# Altium PCB BALANCER_PCB.PcbDoc (continued)
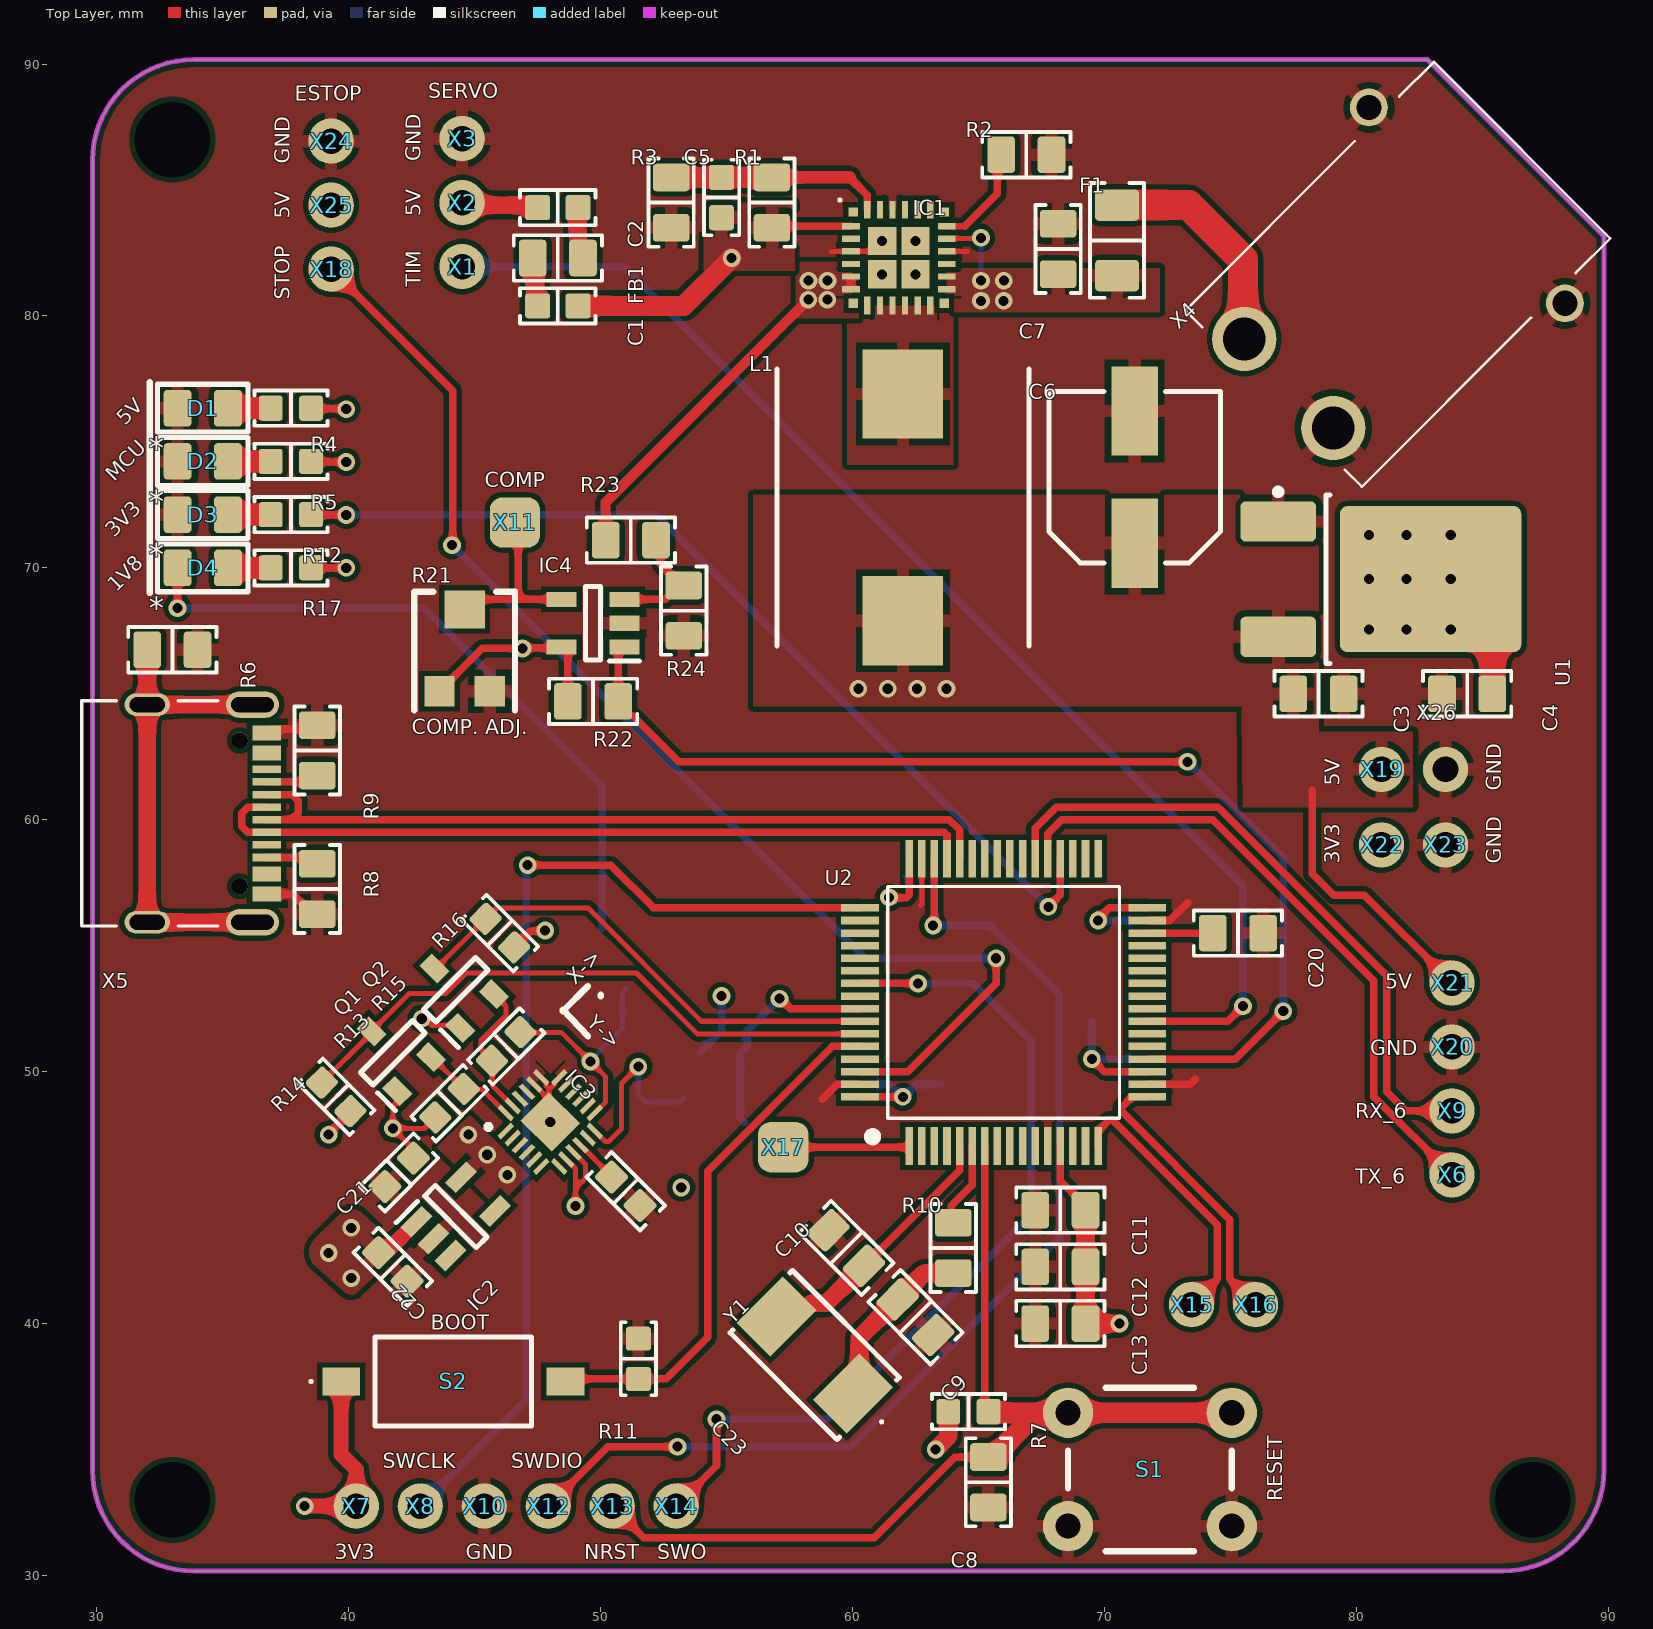
[diagram p0: Top Layer view]
## Components (designator, comment, footprint, x,y, rotation, side; value= is the part's Value field where it differs from the comment)
C1 "Capacitor" 0603_CAP 48.3,80.4 r180 top value=1u
C2 "Capacitor" 0603_CAP 48.3,84.3 r180 top value=1u
C3 "Capacitor" 0805_CAP 78.5,65 r0 top value=10u
C4 "Capacitor" 0805_CAP 84.4,65 r180 top value=10u
C5 "Capacitor" 0603_CAP 54.8,84.7 r90 top value=4.7p
C6 "865080343009" 6.60x6.60x8.00mm_E_CAP 71.2,73.6 r90 top value=100u
C7 "Capacitor" 0805_CAP 68.163,82.657 r90 top value=4.7u
C8 "Capacitor" 0805_CAP 65.394,33.7 r90 top value=0.1u
C9 "Capacitor" 0805_CAP 62.5,40.25 r135 top value=32p
C10 "Capacitor" 0805_CAP 59.75,43 r315 top value=32p
C11 "Capacitor" 0805_CAP 68.25,44.5 r180 top value=10n
C12 "Capacitor" 0805_CAP 68.25,42.25 r180 top value=0.1u
C13 "Capacitor" 0805_CAP 68.25,40 r180 top value=1u
C14 "Capacitor" 0805_CAP 71.75,51.5 r90 bottom value=0.1u
C15 "Capacitor" 0805_CAP 60.25,48.5 r270 bottom value=0.1u
C16 "Capacitor" 0805_CAP 61.25,58.5 r180 bottom value=0.1u
C17 "Capacitor" 0805_CAP 71.75,55 r270 bottom value=0.1u
C18 "Capacitor" 0805_CAP 64.5,49.5 r0 bottom value=1u
C19 "Capacitor" 0805_CAP 69.5,53 r90 bottom value=1u
C20 "Capacitor" 0805_CAP 75.3,55.5 r0 top value=4.7u
C21 "Capacitor" 0603_CAP 42,46 r45 top value=10u
C22 "Capacitor" 0603_CAP 41.75,42.25 r135 top value=10u
C23 "Capacitor" 0603_CAP 51,45.25 r135 top value=0.1u
D1 "0805_LED" 0805_LED 34.205,76.338 r180 top
D2 "0805_LED" 0805_LED 34.205,74.225 r180 top
D3 "0805_LED" 0805_LED 34.205,72.112 r180 top
D4 "0805_LED" 0805_LED 34.205,70 r180 top
F1 "Generic 1206 Fuse Chip" 1206_RES 70.5,83 r270 top
FB1 "*" 0805_Ferrite 48.3,82.3 r180 top
IC1 "LT8640SIV#PBF" LT8640SIVPBF 61.837,82.313 r0 top
IC2 "MIC5225-1.8YM5-TR" SOT95P280X130-5N 44.25,44.25 r45 top
IC3 "ICM-20948" QFN40P300X300X105-25N-D 48,48 r45 top
IC4 "TLV7031DBVR" SOT95P280X145-5N 49.7,67.8 r180 top
L1 "SRP1038CC-3R3M" INDPM110100X400N 62,72.4 r270 top
Q1 "BSS138" SOT95P240X120-3N 41.75,50.75 r135 top
Q2 "BSS138" SOT95P240X120-3N 44.25,53.25 r135 top
Q3 "BSS138" SOT95P240X120-3N 54.5,48 r0 bottom
Q4 "BSS138" SOT95P240X120-3N 50.064,54.496 r90 bottom
R1 "Resistor" 0805_RES 56.8,84.5 r270 top value=1M
R2 "Resistor" 0805_RES 66.9,86.4 r180 top value=41.2k
R3 "Resistor" 0805_RES 52.8,84.5 r90 top value=234k
R4 "Resistor" 0603_RES 37.705,76.338 r0 top value=330
R5 "Resistor" 0603_RES 37.705,74.225 r0 top value=130
R6 "Resistor" 0805_RES 33,66.75 r180 top value=1M
R7 "Resistor" 0603_RES 64.6,36.5 r180 top value=10k
R8 "Resistor" 0805_RES 38.75,57.25 r90 top value=5.1k
R9 "Resistor" 0805_RES 38.75,62.75 r270 top value=5.1k
R10 "Resistor" 0805_RES 64,43 r90 top value=620
R11 "Resistor" 0603_RES 51.5,38.6 r270 top value=10k
R12 "Resistor" 0603_RES 37.705,72.112 r0 top value=130
R13 "Resistor" 0603_RES 44,48.75 r225 top value=10k
R14 "Resistor" 0603_RES 39.5,49 r315 top value=10k
R15 "Resistor" 0603_RES 46.25,51 r45 top value=10k
R16 "Resistor" 0603_RES 46,55.5 r315 top value=10k
R17 "Resistor" 0603_RES 37.705,70 r0 top value=130
R18 "Resistor" 0603_RES 51.75,48 r270 bottom value=10k
R19 "Resistor" 0603_RES 54.75,50.75 r180 bottom value=10k
R20 "Resistor" 0603_RES 50.064,51.746 r0 bottom value=10k
R21 "TC33X-2-103E" 35WR 44.6,66.7 r0 top value=10k
R22 "Resistor" 0805_RES 49.7,64.7 r180 top value=10k
R23 "Resistor" 0805_RES 51.2,71.1 r180 top value=604k
R24 "Resistor" 0805_RES 53.3,68.3 r90 top value=143k
S1 "TactileSwitch" 6mmTactileSwitch_ThroughHole 75.056,36.456 r180 top
S2 "DS04-254-2-01BK-SMT-TR" DS04254201BKSMTTR 44.15,37.7 r270 top
U1 "NCP1117DT33T5G" DPAK3_TO-252-3 81,69.55 r0 top
U2 "STM32F411RET6TR" QFP50P1200X1200X160-64N 66,52.75 r90 top
X1 "GenericPinHeader(0.1in)" GenericPinHeader(.1in) 44.5,81.96 r270 top
X2 "GenericPinHeader(0.1in)" GenericPinHeader(.1in) 44.5,84.5 r270 top
X3 "GenericPinHeader(0.1in)" GenericPinHeader(.1in) 44.5,87.04 r270 top
X4 "XT30PW-M" XT30PWM 81.5,81.5 r315 top
X5 "USB-C 2.0" AMPHENOL_12402012E212A 32,60.25 r270 top
X6 "GenericPinHeader(0.1in)" GenericPinHeader(.1in) 83.8,45.9 r0 top
X7 "GenericPinHeader(0.1in)" GenericPinHeader(.1in) 40.3,32.75 r180 top
X8 "GenericPinHeader(0.1in)" GenericPinHeader(.1in) 42.84,32.75 r180 top
X9 "GenericPinHeader(0.1in)" GenericPinHeader(.1in) 83.8,48.44 r270 top
X10 "GenericPinHeader(0.1in)" GenericPinHeader(.1in) 45.38,32.75 r180 top
X11 "HeaderPad" HeaderPad 46.6,71.8 r0 top
X12 "GenericPinHeader(0.1in)" GenericPinHeader(.1in) 47.92,32.75 r180 top
X13 "GenericPinHeader(0.1in)" GenericPinHeader(.1in) 50.46,32.755 r180 top
X14 "GenericPinHeader(0.1in)" GenericPinHeader(.1in) 53,32.75 r180 top
X15 "GenericPinHeader(0.1in)" GenericPinHeader(.1in) 73.46,40.75 r90 top
X16 "GenericPinHeader(0.1in)" GenericPinHeader(.1in) 76,40.75 r90 top
X17 "HeaderPad" HeaderPad 57.25,47 r0 top
X18 "GenericPinHeader(0.1in)" GenericPinHeader(.1in) 39.3,81.86 r270 top
X19 "GenericPinHeader(0.1in)" GenericPinHeader(.1in) 81,62 r0 top
X20 "GenericPinHeader(0.1in)" GenericPinHeader(.1in) 83.8,50.98 r270 top
X21 "GenericPinHeader(0.1in)" GenericPinHeader(.1in) 83.8,53.52 r270 top
X22 "GenericPinHeader(0.1in)" GenericPinHeader(.1in) 81,59 r180 top
X23 "GenericPinHeader(0.1in)" GenericPinHeader(.1in) 83.54,59 r0 top
X24 "GenericPinHeader(0.1in)" GenericPinHeader(.1in) 39.3,86.94 r270 top
X25 "GenericPinHeader(0.1in)" GenericPinHeader(.1in) 39.3,84.4 r270 top
X26 "GenericPinHeader(0.1in)" GenericPinHeader(.1in) 83.54,62 r0 top
Y1 "ABM7-8.000MHZ-D2Y-T" ABM7 58.5,38.75 r135 top

## Footprints (in the part's own frame and the unit in brackets; to place one, negate y for a bottom-side part, rotate by r counter-clockwise, add the part's x,y. Pads: shape width x height; smd on the part's side, far side on the other; paste and mask are expansions set on the pad)
6.60x6.60x8.00mm_E_CAP [mm] "Aluminum Electrolytic Capacitor, Body 6.60x6.60x8.00mm, IPC Low Density"
  rect 3.55x1.85 smd: 1(-2.625,0) 2(2.625,0)
  silkscreen extent -3.4,-3.4 3.4,3.4, body extent -3.2,-3.4 3.8,3.4, height 8
6mmTactileSwitch_ThroughHole [mm]
  round 2 hole 1: 1(0,4.5) 2(6.5,4.5) 3(0,0) 4(6.5,0)
  silkscreen extent 0,-1 6.5,5.5, body extent -0.6,-0.75 7.1,5.25, height 4.95
35WR [mm]
  rect 1.2x1.2 smd: 1(-1,-1.6) 3(1,-1.6)
  rect 1.6x1.5 smd: 2(0,1.65)
  silkscreen extent -2,-2.35 2,2.35, body extent -1.5,-1.9 1.5,1.9, height 1.2
0603_CAP [mm]
  rrect25% 1x1 smd: 1(-0.8,0) 2(0.8,0)
  silkscreen extent -1.5,-0.7 1.5,0.7, body extent -0.8,-0.41 0.8,0.41, height 0.82
0603_RES [mm] "Chip Resistor, 2-Leads, Body 1.60x0.80mm, IPC Medium Density"
  rrect25% 0.95x1 smd: 1(-0.8,0) 2(0.8,0)
  silkscreen extent -1.45,-0.7 1.45,0.7, body extent -0.8,-0.4 0.8,0.4, height 0.45
0805_CAP [mm] "Chip Capacitor, Body 3.2x1.6mm, Height 1.9mm, IPC Low Density"
  rrect25% 1.1x1.45 smd: 1(-1,0) 2(1,0)
  silkscreen extent -1.75,-0.9 1.75,0.9, body extent -1.1,-0.65 1.1,0.65, height 1.1
0805_Ferrite [mm]
  rrect25% 1.1x1.45 smd: 1(-1,0) 2(1,0)
  silkscreen extent -1.75,-0.9 1.75,0.9, body extent -1,-0.6 1,0.6, height 0.9
0805_LED [mm]
  rrect25% 1.1x1.45 smd: 1(-1,0) 2(1,0)
  silkscreen extent -1.8,-1.03 2.1,1, body extent -1.05,-0.67 1.05,0.68, height 0.9
0805_RES [mm] "Chip Resistor, 2-Leads, Body 2.00x1.25mm, IPC Medium Density"
  rrect25% 1.1x1.45 smd: 1(-1,0) 2(1,0)
  silkscreen extent -1.75,-0.9 1.75,0.9, body extent -1.1,-0.72 1.1,0.72, height 0.5
1206_RES [mm]
  rrect25% 1.25x1.75 smd: 1(-1.4,0) 2(1.4,0)
  silkscreen extent -2.27,-1.07 2.27,1.07, body extent -1.55,-0.77 1.55,0.78, height 0.55
ABM7 [mm]
  rect 1.9x2.6 smd: 1(-2.15,0) 2(2.15,0)
  silkscreen extent -3.8,-1.75 3,1.75, body extent -3,-1.75 3,1.75, height 1.4
AMPHENOL_12402012E212A [mm]
  rect 0.6x1.14 smd: A1_B12(-3.2,4.75) A4_B9(-2.4,4.75) B1_A12(3.2,4.75) B4_A9(2.4,4.75)
  rect 0.3x1.14 smd: A5(-1.25,4.75) A6(-0.25,4.75) A7(0.25,4.75) A8(1.25,4.75) B5(1.75,4.75) B6(0.75,4.75) B7(-0.75,4.75) B8(-1.75,4.75)
  oval 1.05x2.1 hole 0.6 slot 1.7 at 90 deg: SH1(-4.32,4.18) SH2(4.32,4.18)
  oval 0.9x1.8 hole 0.6 slot 1.4 at 90 deg: SH3(-4.32,0) SH4(4.32,0)
  round 0.65 hole 0.65 unplated: ""(-2.89,3.68) ""(2.89,3.68)
  silkscreen extent -4.47,-2.6 4.47,2.81, body extent -4.47,-2.67 4.47,4.93, height 3.19
DPAK3_TO-252-3 [mm] "D-PAK, 3-Pads, Body 6.21x6.73mm (max), IPC Medium Density"
  rrect25% 3x1.6 smd: 1(-4.1,2.29) 3(-4.1,-2.29)
  rrect10% 7.2x5.8 smd: 4(1.95,0)
  silkscreen extent -4.22,-3.35 -2.05,3.59, body extent -5,-3.25 4.98,3.25, height 2.5
DS04254201BKSMTTR [mm]
  rect 1.1x1.5 smd: 1(0,-4.45) 2(0,4.45)
  silkscreen extent -1.77,-5.7 1.77,3.1, body extent -1.77,-4.95 1.77,4.95, height 3.96
GenericPinHeader(.1in) [mm] "Generic .1in (2.54mm) pin header"
  round 1.8 hole 1.016: 1(0,0)
  body extent -1.27,-1.27 1.27,1.27, height 9.5
HeaderPad [mm]
  rrect50% 2x2 smd: 1(0,0)
INDPM110100X400N [mm]
  rect 3.55x3.2 smd: 1(-4.5,0) 2(4.5,0)
  silkscreen extent -5.5,-5 5.5,5, body extent -5.5,-5 5.5,5, height 4
LT8640SIVPBF [mm]
  rect 0.7x0.25 smd: 1(-1.9,1.25) 2(-1.9,0.75) 3(-1.9,0.25) 4(-1.9,-0.25) 5(-1.9,-0.75) 6(-1.9,-1.25) 13(1.9,-1.25) 14(1.9,-0.75) 15(1.9,-0.25) 16(1.9,0.25) 17(1.9,0.75) 18(1.9,1.25)
  rect 0.25x0.7 smd: 7(-1.25,-1.9) 8(-0.75,-1.9) 9(-0.25,-1.9) 10(0.25,-1.9) 11(0.75,-1.9) 12(1.25,-1.9) 19(1.25,1.9) 20(0.75,1.9) 21(0.25,1.9) 22(-0.25,1.9) 23(-0.75,1.9) 24(-1.25,1.9)
  rect 1.125x1.125 smd: 25(-0.663,0.663) 26(0.663,0.663) 27(-0.663,-0.663) 28(0.663,-0.663)
  rect 0.375x0.375 smd: 29(-1.813,-1.813) 30(1.813,-1.813) 31(1.813,1.813) 32(-1.813,1.813)
  silkscreen extent -2.39,2.24 -2.29,2.34, body extent -2,-2.02 2,1.98, height 0.96
QFN40P300X300X105-25N-D [mm]
  rect 0.75x0.2 smd: 1(-1.5,1) 2(-1.5,0.6) 3(-1.5,0.2) 4(-1.5,-0.2) 5(-1.5,-0.6) 6(-1.5,-1) 13(1.5,-1) 14(1.5,-0.6) 15(1.5,-0.2) 16(1.5,0.2) 17(1.5,0.6) 18(1.5,1)
  rect 0.2x0.75 smd: 7(-1,-1.5) 8(-0.6,-1.5) 9(-0.2,-1.5) 10(0.2,-1.5) 11(0.6,-1.5) 12(1,-1.5) 19(1,1.5) 20(0.6,1.5) 21(0.2,1.5) 22(-0.2,1.5) 23(-0.6,1.5) 24(-1,1.5)
  rect 1.59x1.75 smd: 25(0,0)
  silkscreen extent -1.97,1.5 -1.78,1.7, body extent -1.5,-1.5 1.5,1.5, height 0.98
QFP50P1200X1200X160-64N [mm]
  rect 1.5x0.3 smd: 1(-5.7,3.75) 2(-5.7,3.25) 3(-5.7,2.75) 4(-5.7,2.25) 5(-5.7,1.75) 6(-5.7,1.25) 7(-5.7,0.75) 8(-5.7,0.25) 9(-5.7,-0.25) 10(-5.7,-0.75) 11(-5.7,-1.25) 12(-5.7,-1.75) 13(-5.7,-2.25) 14(-5.7,-2.75) 15(-5.7,-3.25) 16(-5.7,-3.75) 33(5.7,-3.75) 34(5.7,-3.25) 35(5.7,-2.75) 36(5.7,-2.25) 37(5.7,-1.75) 38(5.7,-1.25) 39(5.7,-0.75) 40(5.7,-0.25) 41(5.7,0.25) 42(5.7,0.75) 43(5.7,1.25) 44(5.7,1.75) 45(5.7,2.25) 46(5.7,2.75) 47(5.7,3.25) 48(5.7,3.75)
  rect 0.3x1.5 smd: 17(-3.75,-5.7) 18(-3.25,-5.7) 19(-2.75,-5.7) 20(-2.25,-5.7) 21(-1.75,-5.7) 22(-1.25,-5.7) 23(-0.75,-5.7) 24(-0.25,-5.7) 25(0.25,-5.7) 26(0.75,-5.7) 27(1.25,-5.7) 28(1.75,-5.7) 29(2.25,-5.7) 30(2.75,-5.7) 31(3.25,-5.7) 32(3.75,-5.7) 49(3.75,5.7) 50(3.25,5.7) 51(2.75,5.7) 52(2.25,5.7) 53(1.75,5.7) 54(1.25,5.7) 55(0.75,5.7) 56(0.25,5.7) 57(-0.25,5.7) 58(-0.75,5.7) 59(-1.25,5.7) 60(-1.75,5.7) 61(-2.25,5.7) 62(-2.75,5.7) 63(-3.25,5.7) 64(-3.75,5.7)
  silkscreen extent -5.62,-4.6 4.6,5.49, body extent -6,-6 6,6, height 1.6
SOT95P240X120-3N [mm]
  rect 1x0.7 smd: 1(-1.2,0.95) 2(-1.2,-0.95) 3(1.2,0)
  silkscreen extent -1.7,-1.46 0.35,1.55, body extent -1.2,-1.46 1.2,1.46, height 1.2
SOT95P280X130-5N [mm]
  rect 1.2x0.6 smd: 1(-1.25,0.95) 2(-1.25,0) 3(-1.25,-0.95) 4(1.25,-0.95) 5(1.25,0.95)
  silkscreen extent -1.85,-1.45 0.3,1.5, body extent -1.4,-1.45 1.4,1.45, height 1.3
SOT95P280X145-5N [mm]
  rect 1.2x0.6 smd: 1(-1.25,0.95) 2(-1.25,0) 3(-1.25,-0.95) 4(1.25,-0.95) 5(1.25,0.95)
  silkscreen extent -1.85,-1.45 0.3,1.5, body extent -1.4,-1.45 1.4,1.45, height 1.2
XT30PWM [mm]
  round 2.55 hole 1.7: GND(2.5,-5.912) VIN(-2.5,-5.912)
  round 1.5 hole 1: MOUNT(-5.5,4.088) MOUNT(5.5,4.088)
  silkscreen extent -4.95,-6.76 4.95,7.19, body extent -6.65,-6.71 6.65,7.24, height 5.06

## Part data
C1 C2 C3 C4 C5 C7 C11 C12 C13 C14 C15 C16 C17 C18 C19 C20 C21 C22 C23: Voltage=16V
C6: "CAP ALUM 100UF 20% 16V SMD", Percent Tolerance=20, ComponentLink1Description=Digikey, ComponentLink1URL=https://www.digikey.com/en/products/detail/w%C3%BCrth-elektronik/865080343009/5728014
D1 D2 D3 D4: "Generic 0805 LED"
FB1: library part ChipFerrite, =Z@100MHz=200OHM, iMax=3A
IC1: "Integrated Circuit", Manufacturer_Name="Analog Devices", Mouser Part Number=584-LT8640SIVPBF, Arrow Part Number=LT8640SIV#PBF, Arrow Price/Stock=https://www.arrow.com/en/products/lt8640sivpbf/analog-devices, Datasheet Link=https://www.analog.com/LT8640S/datasheet, Height=1.03mm, Manufacturer_Part_Number=LT8640SIV#PBF, Mouser Price/Stock=https://www.mouser.co.uk/ProductDetail/Analog-Devices/LT8640SIVPBF?qs=5aG0NVq1C4wLdtPauIE3hA%3D%3D
IC2: "Integrated Circuit", Manufacturer_Name=Microchip, Mouser Part Number=998-MIC5225-1.8YM5TR, Arrow Part Number=MIC5225-1.8YM5-TR, Arrow Price/Stock=https://www.arrow.com/en/products/mic5225-1.8ym5-tr/microchip-technology?region=nac, Datasheet Link=http://www.microchip.com/mymicrochip/filehandler.aspx?ddocname=en579718, Height=1.3mm, Manufacturer_Part_Number=MIC5225-1.8YM5-TR, Mouser Price/Stock=https://www.mouser.co.uk/ProductDetail/Microchip-Technology/MIC5225-1.8YM5-TR?qs=U6T8BxXiZAW23RI71jjM5w%3D%3D
IC3: "Integrated Circuit", Manufacturer_Name=TDK, Mouser Part Number=410-ICM-20948, Arrow Part Number=ICM-20948, Arrow Price/Stock=https://www.arrow.com/en/products/icm-20948/invensense?region=nac, Datasheet Link=https://product.tdk.com/system/files/dam/doc/product/sensor/mortion-inertial/imu/data_sheet/ds-000189-icm-20948-v1.3.pdf, Height=1.05mm, Manufacturer_Part_Number=ICM-20948, Mouser Price/Stock=https://www.mouser.co.uk/ProductDetail/TDK-InvenSense/ICM-20948?qs=u4fy%2FsgLU9OtGc31yF%2Friw%3D%3D
IC4: "Analog Comparators Nanopower, small size comparator with push-pull output 5-SOT-23 -40 to 125C range", Manufacturer_Name="Texas Instruments", Mouser Part Number=595-TLV7031DBVR, Arrow Part Number=TLV7031DBVR, Arrow Price/Stock=https://www.arrow.com/en/products/tlv7031dbvr/texas-instruments?region=nac, Datasheet Link=http://www.ti.com/lit/gpn/TLV7031, Height=1.45mm, Manufacturer_Part_Number=TLV7031DBVR, Mouser Price/Stock=https://www.mouser.co.uk/ProductDetail/Texas-Instruments/TLV7031DBVR?qs=EBDBlbfErPzxbC0zg598sw%3D%3D
L1: "Inductor, 3.3uH", Manufacturer_Name=Bourns, Manufacturer_Part_Number=SRP1038CC-4R7M, Datasheet Link=https://www.digikey.com/en/products/detail/bourns-inc/SRP1038CC-3R3M/21263957?s=N4IgTCBcDaIMoCUAKBGADAZgBwGEcFoMEMBZEAXQF8g, Height=4mm
Q1 Q2 Q3 Q4: "MOSFET (N-Channel)", Manufacturer_Name=onsemi, Mouser Part Number=512-BSS138, Arrow Part Number=BSS138, Arrow Price/Stock=https://www.arrow.com/en/products/bss138/on-semiconductor, Datasheet Link=https://www.onsemi.com/pub/Collateral/BSS138-D.PDF, Height=1.2mm, Manufacturer_Part_Number=BSS138, Mouser Price/Stock=https://www.mouser.co.uk/ProductDetail/onsemi-Fairchild/BSS138?qs=HK%252BeIG1iaahCeqBvjB4arg%3D%3D
R21: "0.1W, 1/10W J Lead Surface Mount Trimmer Potentiometer Cermet Turn Top Adjustment", Power=1/10W, ComponentLink1Description=Digikey, ComponentLink1URL=https://www.digikey.com/en/products/detail/bourns-inc/TC33X-2-103E/612911
S1: "Generic 6mm Through Hole Tactile Switch", Current=0.05A, MaxVoltage=12V, ComponentLink1Description=Digikey, ComponentLink1URL=https://www.digikey.com/en/products/detail/c-k/PTS645SH95-2-LFS/1146763, Mounting=TH, Name=TactileSwitch, Pole=1
S2: "DIP Switches / SIP Switches DIP Switch, SPST, 2.54 pitch, flat actuator, SMT, Tape and reel, 1 position, Black", Manufacturer_Name="CUI Devices", Mouser Part Number=490-DS04254201BK-STR, Arrow Part Number=DS04-254-2-01BK-SMT-TR, Arrow Price/Stock=https://www.arrow.com/en/products/ds04-254-2-01bk-smt-tr/cui-devices?region=nac, Datasheet Link=https://www.cuidevices.com/product/resource/supplyframepdf/ds04-254-smt.pdf, Height=4.3mm, Manufacturer_Part_Number=DS04-254-2-01BK-SMT-TR, Mouser Price/Stock=https://www.mouser.co.uk/ProductDetail/CUI-Devices/DS04-254-2-01BK-SMT-TR?qs=wnTfsH77Xs4xXRFXKF0ssg%3D%3D
U1: "IC REG LINEAR 3.3V 1A DPAK"
U2: "High-performance access line, ARM Cortex-M4 core with DSP and FPU, 512 Kbytes Flash, 100 MHz CPU, ART Accelerator", Package=None, Availability=Unavailable, MF="{'manufacturer': u'STMicroelectronics'}", MP=STM32F411RET6TR, Price=None
X1 X2 X3 X6 X7 X8 X9 X10 X12 X13 X14 X15 X16 X18 X19 X20 X21 X22 X23 X24 X25 X26: "Generic .1in(2.54mm) pitch pin header"
X4: "Socket; DC supply; XT30; male; PIN: 2; on PCBs; THT; yellow; 15A; 500V", Manufacturer_Name=Amass, Datasheet Link=https://www.tme.eu/sl/Document/ce4077e36b79046da520ca73227e15de/XT30PW%20SPEC.pdf, Height=5mm, Manufacturer_Part_Number=XT30PW-M
X5: library part 12402012E212A, "CONN RCP USB2.0 TYP C 24P SMD RA", Package=None, Availability=Unavailable, MF="{'manufacturer': u'Amphenol'}", MP=12402012E212A, Price=None
X11 X17: "Pad for pin header"
Y1: "Crystal or Oscillator", Manufacturer_Name=ABRACON, Mouser Part Number=815-ABM7-8-D2Y-T, Arrow Part Number=ABM7-8.000MHZ-D2Y-T, Arrow Price/Stock=https://www.arrow.com/en/products/abm7-8.000mhz-d2y-t/abracon?region=europe, Datasheet Link=https://abracon.com/Resonators/abm7.pdf, Height=1.4mm, Manufacturer_Part_Number=ABM7-8.000MHZ-D2Y-T, Mouser Price/Stock=https://www.mouser.co.uk/ProductDetail/ABRACON/ABM7-8.000MHZ-D2Y-T?qs=LoTOQoUkC8SFsmY8snleBA%3D%3D

## Free pads (board coordinates)
  oval 0x1.524 hole 3 unplated: 2(33,33) 2(33,87) 2(87,33)
  round 0.7 hole 0.4: 3(48,48)

## Via types
v1: diameter 0.7, hole 0.4, Top Layer to Bottom Layer, 67 vias

## Nets (pads, with @x,y where several pads share a name; then routed paths per layer and width w, separated by ;. In a path a pad name is that pad's centre, name@x,y a point inside that pad or via, vN(x,y) a via of type N, cw(c..) or ccw(c..) an arc to the next point about the centre after c; other vN are vias at no path point)
+1.8V: C21.2 IC2.5 IC3.8 IC3.9 IC3.13 Q1.1 Q2.1 Q3.1 Q4.1 R13.2 R15.2 R18.2 R20.2 | length 19.7
  Top Layer w0.2: Q1.1 41.969,49.188 41.969,48.834 41.75,48.615 v1(41.75,47.75) ; C21.2 42.566,46.934 v1(41.75,47.75) ; v1(42.9,52.1) 43.035,52.1 43.3,51.836 44.321,51.836 Q2.1 ; R13.2 43,47.75 v1(41.75,47.75) ; R15.2 46.833,51.548 48.452,51.548 v1(49.6,50.4) 50.2,49.8 50.2,48.786 IC3.13 ; IC3.8 49,46.151 49,45.371 ; IC3.9 49.4,46.317 49.4,45.771 49,45.371 ; v1(49,44.667) 49,45.371
  Bottom Layer w0.2: v1(49.6,50.4) 49.6,50.447 50.864,51.711 R20.2 50.864,53.146 Q4.1
  other v1: 53.2,45.4 46.3,45.9 45.5,46.7 44.75,47.5
+3V3: C4.1 C11.1 C12.1 C13.1 C14.1 C15.1 C16.1 C17.1 C18.1 C19.1 C22.2 IC2.1 IC2.3 IC4.5 R5.2 R7.2 R14.2 R16.2 R17.2 R19.2 R21.1 R22.2 S2.1 U1.4 U2.13 U2.19 U2.32 U2.48 U2.64 X7.1 X22.1 | length 58.1
  Top Layer w0.3: R17.2 v1(39.9,70) ; R5.2 v1(39.9,74.2) ; v1(39.2,47.5) 39.2,47.534 40.066,48.4 R14.2 ; R21.1 45.3,66.8 v1(46.9,66.8) 46.919,66.819 48.419,66.819 IC4.5 48.55,66.85 48.7,66.7 R22.2 ; R16.2 47.211,55.58 47.78,55.58 v1(47.8,55.6) ; U2.64 v1(62,49) ; v1(61.446,56.916) 61.462,56.9 62.136,56.9 62.25,57.014 U2.48 ; U2.13 68.25,45.675 69.25,44.675 C11.1 ; v1(69.5,50.5) 70,50 U2.19 ; v1@69.75,56.25 69.939,56.25 70.189,56.5 U2.32
  Top Layer w0.6: v1(38.25,32.75) X7.1 40.3,34.2 39.7,34.8 S2.1 ; C22.2 41.467,42.816 41.607,42.956 41.612,42.956 IC2.1
  Top Layer w0.7: v1(63.3,35) 63.8,35.5 R7.2 ; C11.1 C12.1 C13.1 v1(70.6,40)
  Top Layer w1: C4.1 U1.4@85.4,67
  Bottom Layer w0.3: R19.2 53.95,50.775 54.8,51.625 v1(54.8,53) ; C15.1 61.455,49.5 61.955,49 v1(62,49) 62.045,49 62.545,49.5 C18.1 ; v1(61.446,56.916) 61.462,56.9 62.111,56.9 62.225,57.014 62.225,58.475 C16.1 ; C19.1 v1(69.5,50.5) C14.1 ; v1(69.75,56) C17.1
  other v1: 40.1,41.8 39.2,42.8 40.1,43.8 80.5,67.55 82,67.55 83.75,67.55 80.5,69.55 82,69.55 83.75,69.55 80.5,71.3 82,71.3 83.75,71.3
+5: C1.1 C3.1 C5.1 C6.1 IC1.1 L1.2 R1.2 R4.2 U1.3 X19.1 X21.1 X25.1 | length 22.2
  Top Layer w0.3: R4.2 38.524,76.319 39.881,76.319 v1(39.9,76.3) ; R1.2 56.8,83.563 IC1.1 ; 78.243,61.165 78.243,57.857 79.1,57 80.32,57 X21.1
  Top Layer w0.8: C1.1 53.3,80.4 v1(55.2,82.3)
  other v1: 60.233,65.2 61.4,65.2 62.567,65.2 63.733,65.2
GND: C3.2 C4.2 C6.2 C7.2 C8.1 C9.1 C10.1 C11.2 C12.2 C13.2 C14.2 C15.2 C16.2 C17.2 C18.2 C19.2 C20.2 C21.1 C22.1 C23.1 D1.2 D2.2 D3.2 IC1.3 IC1.16 IC1.22 IC1.25 IC1.26 IC1.27 IC1.28 IC2.2 IC3.18 IC3.19 IC3.20 IC3.25 IC4.2 pad.3 Q4.2 R2.1 R3.1 R6.1 R8.1 R9.1 R11.1 R20.1 R21.3 R24.1 S1.1 S1.2 U1.1 U2.12 U2.18 U2.31 U2.47 U2.63 X3.1 X4.GND X4.MOUNT X5.A1_B12 X5.B1_A12 X10.1 X20.1 X23.1 X24.1 X26.1 | length 17.7
  Top Layer w0.2: IC3.20 IC3.25@47.943,48.905 ; IC3.19 47.829,49.585 47.829,49.443 47.943,49.328 IC3.25@47.943,48.905 ; IC3.25 48,48.7 47.943,48.757 IC3.25@47.943,48.905 ; 48.034,49.358 48.171,49.495 48.171,49.585 IC3.18 ; 59.137,82.563 IC1.3 60.763,82.563 IC1.25@60.8,82.6 ; 62.7,56.6 62.75,56.65 U2.47 ; IC1.16 64.563,82.563
  Top Layer w0.3: X5.B1_A12 37.775,57.05 38.575,56.25 R8.1 ; X5.A1_B12 36.9,63.6 38.6,63.6 R9.1 ; 58.8,48.9 59.4,49.5 U2.63 ; U2.18 73.4,49.5 73.6,49.7 ; U2.31 72.6,56 73.3,56.7
  other v1: 61.174,81.65 62.5,81.65 61.174,82.976 62.5,82.976
IMU_INT: Q3.3 R19.1 U2.57 | length 9
  Top Layer w0.3: v1(57.1,52.9) 57.133,52.9 57.533,52.5 U2.57
  Bottom Layer w0.3: Q3.3 55.55,48.15 R19.1 55.797,50.997 55.797,51.597 v1(57.1,52.9)
INT_1.8: IC3.12 Q3.2 R18.1 | length 7.3
  Top Layer w0.2: IC3.12 50.196,47.218 50.315,47.218 50.831,47.734 50.831,49.531 v1(51.5,50.2)
  Bottom Layer w0.2: v1(51.5,50.2) 51.5,49.05 R18.1 53.15,48.8 Q3.2
NetC1_2: C1.2 FB1.2 | length 2
  Top Layer w0.7: FB1.2 47.4,82.2 47.4,80.5 C1.2 C1.2@47.525,80.375
NetC2_1: C2.1 FB1.1 | length 2.1
  Top Layer w0.7: C2.1 49.075,84.275 49.075,83.361 49.1,83.336 49.1,82.5 FB1.1 FB1.1@49.275,82.275
NetC2_2: C2.2 X2.1 | length 3.1
  Top Layer w0.7: X2.1 44.6,84.4 47.4,84.4 C2.2
NetC5_2: C5.2 IC1.24 R1.1 R3.2 | length 8.7
  Top Layer w0.3: 59.887,85.5 60.587,84.8 IC1.24
  Top Layer w0.5: R1.1 59.887,85.5
  Top Layer w0.8: R3.2 C5.2 R1.1
NetC9_2: C9.2 R10.1 Y1.1 | length 7.1
  Top Layer w0.7: Y1.1 60.268,37.477 60.268,39.432 C9.2 62.836,42 R10.1
NetC20_1: C20.1 U2.30 | length 2.1
  Top Layer w0.3: U2.30 C20.1@73.75,55.5
NetD1_1: D1.1 R4.1 | length 1.7
  Top Layer w0.8: D1.1 R4.1
NetD2_1: D2.1 R5.1 | length 1.7
  Top Layer w0.8: D2.1 R5.1
NetD3_1: D3.1 R12.1 | length 1.7
  Top Layer w0.8: D3.1 R12.1
NetD4_1: D4.1 R17.1 | length 1.7
  Top Layer w0.8: D4.1 R17.1
NetD4_2: D4.2 Q4.3 | length 27
  Top Layer w0.3: v1(33.2,68.4) 33.203,68.403 33.203,69.997 D4.2
  Bottom Layer w0.3: v1(33.2,68.4) 43,68.4 50.064,61.336 Q4.3
NetIC1_8: IC1.8 IC1.9 IC1.10 IC1.11 IC1.12 L1.1
NetIC1_18: IC1.18 R2.2 | length 3.8
  Top Layer w0.25: IC1.18 64.463,83.563
  Top Layer w0.3: 64.463,83.563 65.75,84.85 R2.2@65.75,86.1
NetIC4_3: IC4.3 R23.1 R24.2 | length 4.8
  Top Layer w0.3: IC4.3 52.575,68.75 R24.2@53.125,69.3 ; R23.1 52.376,70.924 52.376,70.136 52.725,69.787 52.725,69.7 R24.2@53.125,69.3 ; R24.2 R24.2@53.125,69.3
NetIC4_4: IC4.4 R21.2 X11.1 | length 7.1
  Top Layer w0.3: R21.2 45,68.75 46.725,68.75 ; X11.1 46.725,71.675 46.725,68.75 ; IC4.4 46.725,68.75
NetR6_2: R6.2 X5.SH1 X5.SH2 X5.SH3 X5.SH4 | length 19.2
  Top Layer w0.7: R6.2 X5.SH3 ; X5.SH2 X5.SH4 X5.SH3 ; X5.SH1 X5.SH3
NetR8_2: R8.2 X5.B5 | length 2.1
  Top Layer w0.3: X5.B5 38.5,58.5 R8.2
NetR9_2: R9.2 X5.A5 | length 2.1
  Top Layer w0.3: X5.A5 38.5,61.5 R9.2
NetR11_2: R11.2 S2.2 U2.60 | length 21.1
  Top Layer w0.3: S2.2 48.7,37.8 R11.2 52.6,37.8 54.25,39.45 54.25,46.045 59.205,51 U2.60
NetR12_2: R12.2 U2.36 | length 37.8
  Top Layer w0.3: R12.2 38.511,72.106 39.894,72.106 v1(39.9,72.1) ; v1(67.774,56.54) 68.25,57.015 U2.36
  Bottom Layer w0.3: v1(39.9,72.1) 52.214,72.1 v1(67.774,56.54)
NetU2_1: U2.1 X17.1 | length 5.5
  Top Layer w0.3: X17.1@56.75,47 62.25,47 U2.1
NRST: C8.2 R7.1 S1.3 S1.4 U2.7 X13.1 | length 40.9
  Top Layer w0.3: X13.1 51.715,31.5 60.866,31.5 64.066,34.7 C8.2 ; U2.7 65.25,36.837 65.606,36.481 R7.1@65.606,36.456
  Top Layer w0.8: C8.2 65.569,34.7 67.096,36.227 68.327,36.227 S1.4 ; R7.1@65.606,36.456 S1.4 ; S1.3 S1.4
OSC_IN: C10.2 U2.5 Y1.2 | length 10.6
  Top Layer w0.3: C10.2@60.207,42.043 C10.2 64.25,46.086 U2.5
  Top Layer w0.7: Y1.2 57.828,40.27 58.358,40.8 58.964,40.8 C10.2@60.207,42.043
OSC_OUT: R10.2 U2.6 | length 3.4
  Top Layer w0.3: R10.2 63.925,44.075 63.925,44.675 64.75,45.5 U2.6
PWM_READ: U2.62 X18.1 | length 49.2
  Top Layer w0.3: X18.1 44.13,77.03 44.13,70.93 v1(44.1,70.9) ; U2.62 62.2,50 65.7,53.5 v1(65.7,54.5)
  Bottom Layer w0.3: v1(44.1,70.9) 60.5,54.5 v1(65.7,54.5)
REGOUT: C23.2 IC3.10 | length 1.8
  Top Layer w0.2: IC3.10 49.397,46.886 50.186,46.097 C23.2
SCL: Q2.3 R16.1 U2.58 | length 19.8
  Top Layer w0.2: Q2.3 43.467,54.099 R16.1 45.869,56.5 49.5,56.5 54,52 U2.58
SCL_1.8: IC3.23 Q2.2 R15.1 | length 5.6
  Top Layer w0.2: Q2.2 46.25,52.593 46.25,52.25 45.25,51.25 45.25,50.869 R15.1 45.702,50.417 45.702,49.449 IC3.23
SDA: Q1.3 R14.1 U2.59 | length 24.2
  Top Layer w0.2: R14.1 40.901,51.533 Q1.3 42.403,53.1 43.85,53.1 44.663,53.913 51.426,53.913 53.839,51.5 U2.59
SDA_1.8: IC3.24 Q1.2 R13.1 | length 3.9
  Top Layer w0.2: Q1.2 43.308,50.573 R13.1 44.591,49.291 45.295,49.291 IC3.24
SWCLK: U2.49 X8.1 | length 41.1
  Top Layer w0.3: v1(47.1,58.2) 50.4,58.2 52.1,56.5 U2.49
  Bottom Layer w0.3: X8.1 47.054,36.964 47.054,46.637 47.046,46.645 47.046,58.146 v1(47.1,58.2)
SWDIO: U2.46 X12.1 | length 43.2
  Top Layer w0.3: X12.1 50.279,35.109 v1(53.05,35.109) ; v1(63.2,55.8) 63.25,55.85 U2.46
  Bottom Layer w0.3: v1(53.05,35.109) 59.909,35.109 68.2,43.4 68.2,53.066 65.466,55.8 v1(63.2,55.8)
SWO: U2.55 X14.1 | length 34.6
  Top Layer w0.3: X14.1 54.6,34.35 v1(54.6,36.2) ; U2.55 v1(62.6,53.5)
  Bottom Layer w0.3: v1(54.6,36.2) 59,36.2 67.1,44.3 67.1,51.2 64.8,53.5 v1(62.6,53.5)
TIM3_CH2: U2.23 X1.1 | length 50
  Top Layer w0.3: U2.23 74.9,52 v1(75.5,52.6)
  Bottom Layer w0.3: X1.1 50.94,81.96 75.5,57.4 v1(75.5,52.6)
U\V\: IC4.1 R22.1 U2.20 | length 43.7
  Top Layer w0.3: IC4.1 50.85,66.85 50.7,66.7 R22.1 50.7,64.525 51.1,64.125 51.275,64.125 53.1,62.3 v1(73.3,62.3) ; U2.20 75.2,50.5 v1(77.1,52.4)
  Bottom Layer w0.3: v1(73.3,62.3) 77.1,58.5 v1(77.1,52.4)
USART2_RX: U2.17 X16.1 | length 11.2
  Top Layer w0.3: U2.17 71.1,49 70.682,48.582 70.682,48.421 74.98,44.124 74.98,41.77 X16.1
USART2_TX: U2.16 X15.1 | length 10.8
  Top Layer w0.3: U2.16 69.75,47.65 70.168,48.068 70.329,48.068 74.48,43.916 74.48,41.77 X15.1
USART6_RX: U2.38 X9.1 | length 25.2
  Top Layer w0.3: U2.38@67.25,59.044 67.25,59.657 67.946,60.354 68.093,60.5 74.507,60.5 74.654,60.354 81.2,53.807 81.2,49.207 81.967,48.44 X9.1
USART6_TX: U2.37 X6.1 | length 25.2
  Top Layer w0.3: U2.37@67.75,59.044 67.75,59.45 68.3,60 74.3,60 80.7,53.6 80.7,49 X6.1
USB_DM: U2.44 X5.A7 X5.B7 | length 31
  Top Layer w0.3: X5.A7 37.75,60 ; X5.B7 37.75,61 38,60.75 38,60.25 37.75,60 ; U2.44 64.25,59.593 63.843,60 49.79,60 37.75,60
USB_DP: U2.45 X5.A6 X5.B6 | length 30.7
  Top Layer w0.3: X5.A6 36,60.5 35.75,60.25 35.75,59.75 36,59.5 X5.B6 37.17,59.5 49.997,59.5 63.636,59.5 63.75,59.386 63.75,59.225 U2.45
VCC: C7.1 F1.2 IC1.5 IC1.6 IC1.13 IC1.14 IC1.17 R23.2 | length 16.5
  Top Layer w0.2: IC1.17 63.755,83.082 65.082,83.082 v1(65.1,83.1)
  Top Layer w0.3: IC1.6 IC1.5
  Top Layer w0.4: R23.2 50.2,72.604 v1(58.246,80.65)
  Bottom Layer w0.2: v1(65.1,81.4) v1(65.1,83.1)
  other v1: 65.1,80.6 66,80.6 59,80.65 58.25,81.404 59.004,81.404 66.009,81.4
VIN: F1.1 X4.VIN | length 9.1
  Top Layer w1.2: F1.1 73.35,84.4 75.5,82.25 75.5,79.139 X4.VIN
pads on no net: IC1.2 IC1.4 IC1.7 IC1.15 IC1.19 IC1.20 IC1.21 IC1.23 IC1.29 IC1.30 IC1.31 IC1.32 IC2.4 IC3.1 IC3.2 IC3.3 IC3.4 IC3.5 IC3.6 IC3.7 IC3.11 IC3.14 IC3.15 IC3.16 IC3.17 IC3.21 IC3.22 U2.2 U2.3 U2.4 U2.8 U2.9 U2.10 U2.11 U2.14 U2.15 U2.21 U2.22 U2.24 U2.25 U2.26 U2.27 U2.28 U2.29 U2.33 U2.34 U2.35 U2.39 U2.40 U2.41 U2.42 U2.43 U2.50 U2.51 U2.52 U2.53 U2.54 U2.56 U2.61 X5. X5.A4_B9 X5.A8 X5.B4_A9 X5.B8

## Polygon pours and split planes (outlines as drawn)
+3V3 on Top Layer "+3V3_L01_P018" (solid, pour order 18): 40.365,41.252 41.958,42.765 ccw(c41.829,42.9) 41.958,43.035 40.566,44.357 ccw(c40.112,43.879) 39.646,44.346 38.639,43.339 ccw(c39.15,42.828) 38.666,42.29 39.828,41.245 ccw(c40.093,41.539)
+1.8V on Top Layer "+1.8V_L01_P017" (solid, pour order 17): 44.8,48.3 46.066,47 47.169,45.896 45.886,44.614 43.5,47
+5 on Top Layer "+5_L01_P014" (solid, pour order 14): 75.5,60.5 78.5,60.5 78.5,66.232 75.423,66.232
+5 on Top Layer "+5_L01_P013" (solid, pour order 13): 82.25,63.5 75.5,63.5 75.5,60.5 82.25,60.5
+5 on Top Layer "+5_L01_P012" (solid, pour order 12): 56.055,72.9 56.055,64.5 78.5,64.5 78.5,72.9
+5 on Top Layer "+5_L01_P015" (solid, pour order 15): 54.1,84.5 54.1,81.8 57.7,81.8 57.7,84.5
VCC on Top Layer "VCC_L01_P031" (solid, pour order 31): 60.25,82.15 60.25,79.9 57.75,79.9 57.75,82.15
VCC on Top Layer "VCC_L01_P036" (solid, pour order 36): 63.4,81.9 63.4,80.15 72.2,80.15 72.2,81.9
NetIC1_8 on Top Layer "NETIC1_8_L01_P037" (solid, pour order 37): 59.8,80.9 59.8,74.1 64,74.1 64,80.9
GND on Top Layer "CCC" (solid, pour order 38): 9.018,121.436 9.018,18.436 131.018,18.436 131.018,121.436
GND on GND "GND_L02_P001" (solid, pour order 1): 7.25,121.25 7.25,19.25 132.25,19.25 132.25,121.25
+5 on 3V3 "+5_L03_P030" (solid, pour order 30): 67.5,66 67.5,86 ccw(c65,86) 65,88.5 39.5,88.5 ccw(c39.5,86.5) 37.5,86.5 37.5,76.5 ccw(c38.5,76.5) 38.5,75.5 53,75.5 cw(c53,72.5) 56,72.5 56,66 ccw(c57.5,66) 57.5,64.5 66,64.5 ccw(c66,66)
+1.8V on 3V3 "+1.8V_L03_P002" (solid, pour order 2): 53.878,52.322 53.878,44.812 cw(c52.378,44.822) 52.378,43.322 45.757,43.322 cw(c45.757,45.533) 44.239,43.926 40.799,47.174 cw(c41.723,48.152) 40.378,48.152 40.378,49.763 cw(c41.628,49.763) 40.795,50.695 43.966,53.533 cw(c46.686,50.493) 46.686,54.572 51.628,54.572 cw(c51.628,52.322)
+3V3 on 3V3 "+3V3_L03_P034" (solid, pour order 34): 4.25,126.25 4.25,19.25 126.25,19.25 126.25,126.25
+1.8V on Bottom Layer "+1.8V_L04_P003" (solid, pour order 3): 54.304,44.9 54.304,48.194 50.8,48.194 50.8,46.688 52.429,44.9
VCC on Bottom Layer "VCC_L04_P024" (solid, pour order 24): 67,79.66 67,82.15 57.723,82.15 57.723,79.641
GND on Bottom Layer "GND_L04_P033" (solid, pour order 33): 9.7,123 9.7,20 127.7,20 127.7,123

## Keep-outs
Keep-Out Layer:
  the board outline again, w0.2

## Silkscreen, mask and mechanical layers (free items; w line width, h text height)
Top Overlay:
  lines w0.254: 48.5,52.4 49.5,53.4 ; 48.501,52.451 49.5,51.4 ; 50,53 50.001,53.051
  text "SERVO" at 43.15,88.65 h0.6
  text "ESTOP" at 37.85,88.55 h0.6
  text "GND" at 42.85,86.15 h0.6 r90
  text "GND" at 37.65,86.05 h0.6 r90
  text "5V" at 42.85,83.95 h0.6 r90
  text "5V" at 37.65,83.85 h0.6 r90
  text "TIM" at 42.85,81.15 h0.6 r90
  text "STOP" at 37.65,80.65 h0.6 r90
  text "5V" at 31.124,75.612 h0.6 r45
  text "MCU" at 30.7,73.389 h0.6 r45
  text "COMP" at 45.4,73.2 h0.6
  text "3V3" at 30.7,71.165 h0.6 r45
  text "1V8" at 30.771,69.012 h0.6 r45
  text "COMP. ADJ." at 42.5,63.4 h0.6
  text "5V" at 79.35,61.35 h0.6 r90
  text "GND" at 85.75,61.15 h0.6 r90
  text "3V3" at 79.35,58.25 h0.6 r90
  text "GND" at 85.75,58.25 h0.6 r90
  text "X->" at 49,53.412 h0.6 r45
  text "5V" at 81.15,53.29 h0.6
  text "Y->" at 49.412,51.9 h0.6 r315
  text "GND" at 80.55,50.65 h0.6
  text "RX_6" at 79.95,48.15 h0.6
  text "TX_6" at 79.95,45.55 h0.6
  text "BOOT" at 43.25,39.75 h0.6
  text "SWCLK" at 41.35,34.25 h0.6
  text "SWDIO" at 46.45,34.25 h0.6
  text "RESET" at 77.05,32.95 h0.6 r90
  text "3V3" at 39.45,30.65 h0.6
  text "GND" at 44.65,30.65 h0.6
  text "NRST" at 49.35,30.65 h0.6
  text "SWO" at 52.25,30.65 h0.6
Bottom Overlay:
  drawing of 232 lines, arcs and shapes, not listed

## Text inside footprints (layer, text, board x,y; h text height)
D1: Top Overlay "*" at 32.681,75.83 h1.52 r180
D2: Top Overlay "*" at 32.681,73.717 h1.52 r180
D3: Top Overlay "*" at 32.681,71.604 h1.52 r180
D4: Top Overlay "*" at 32.681,69.492 h1.52 r180